# KiCad board EMFbadge smallerforKitsNewLayout.kicad_pcb
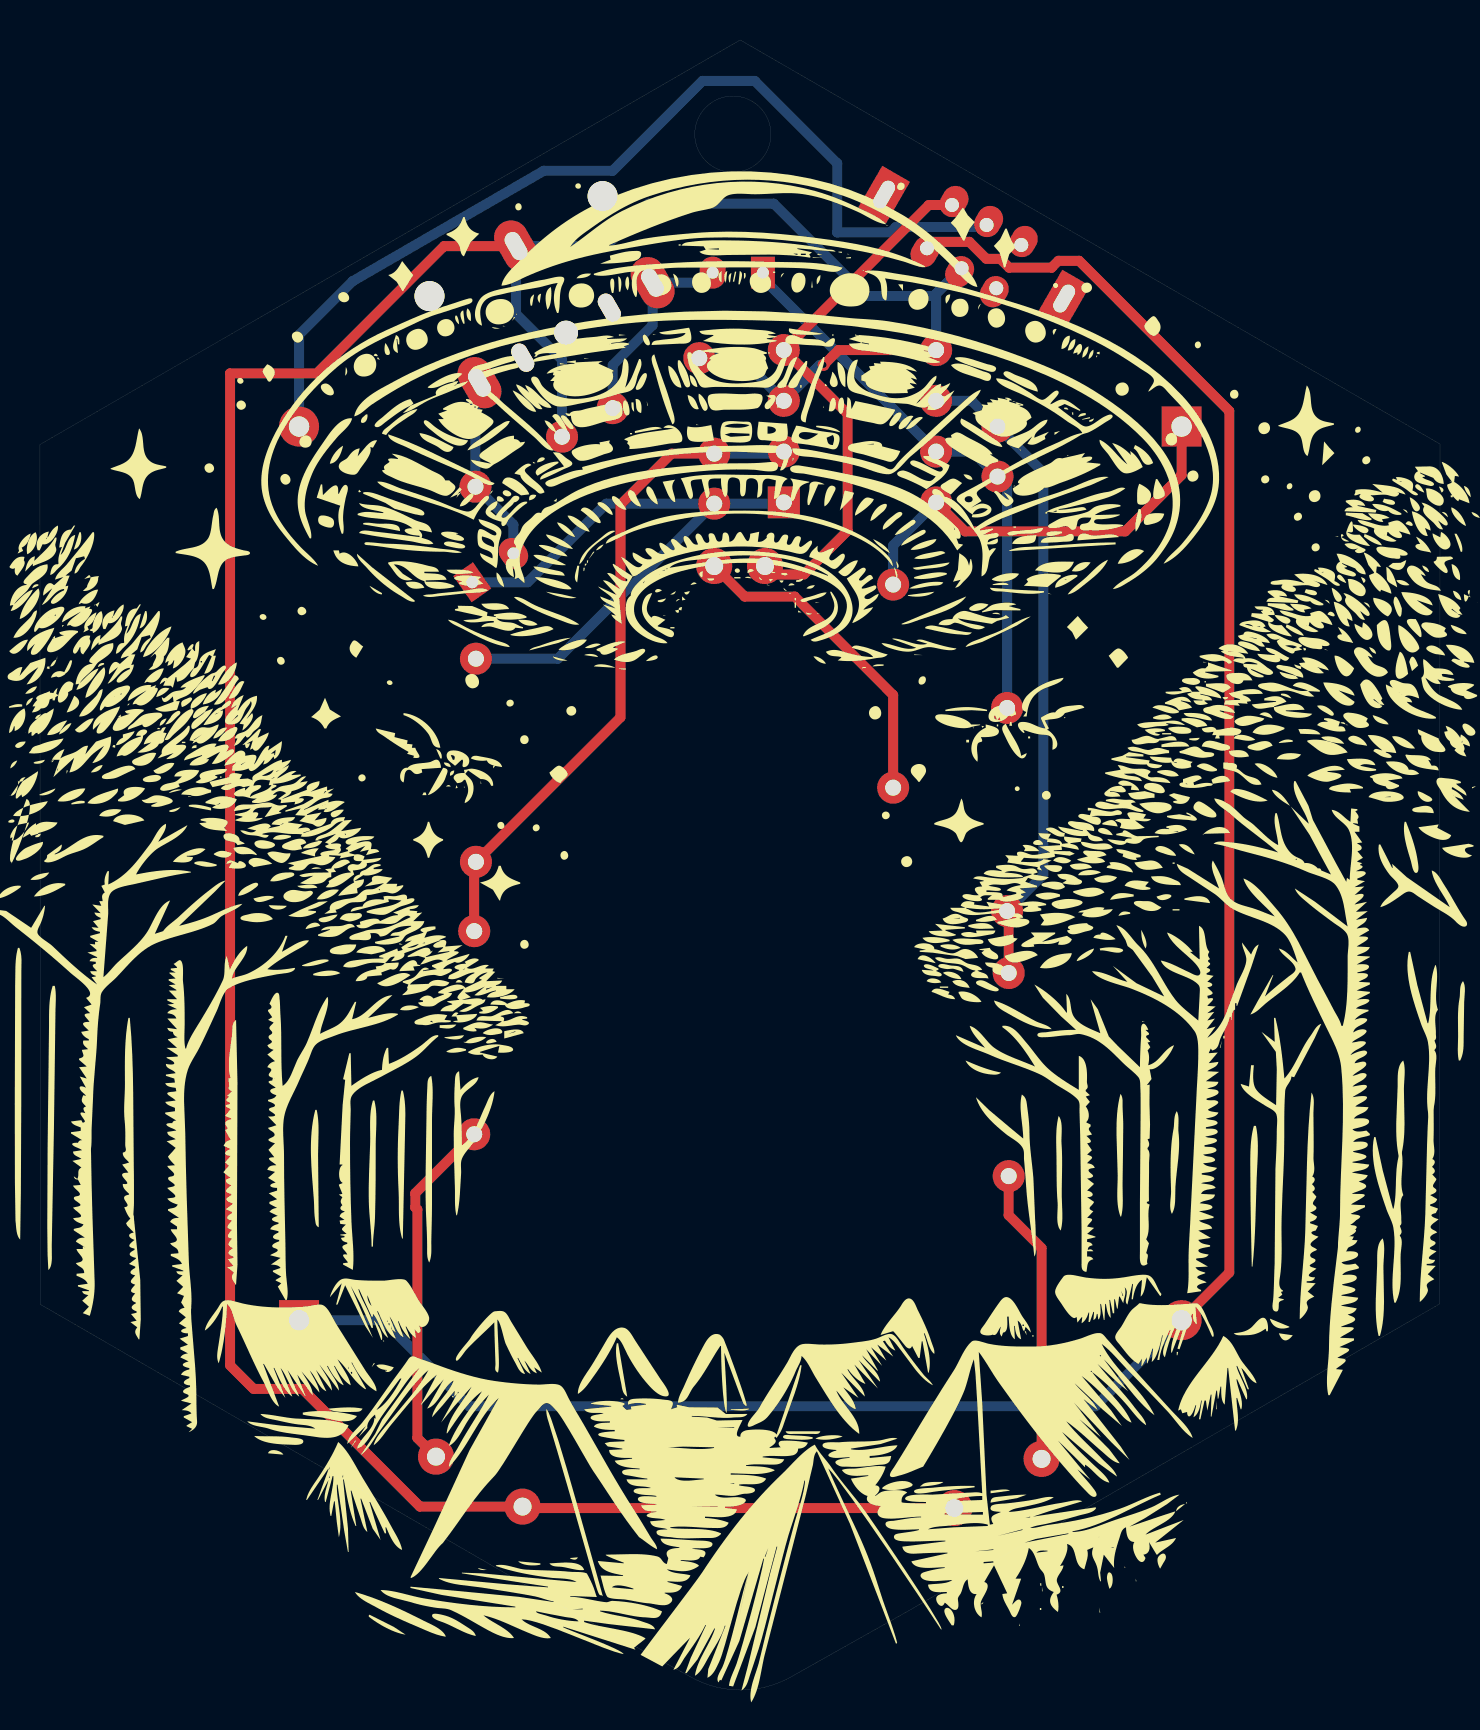
[diagram p0: board, top side]
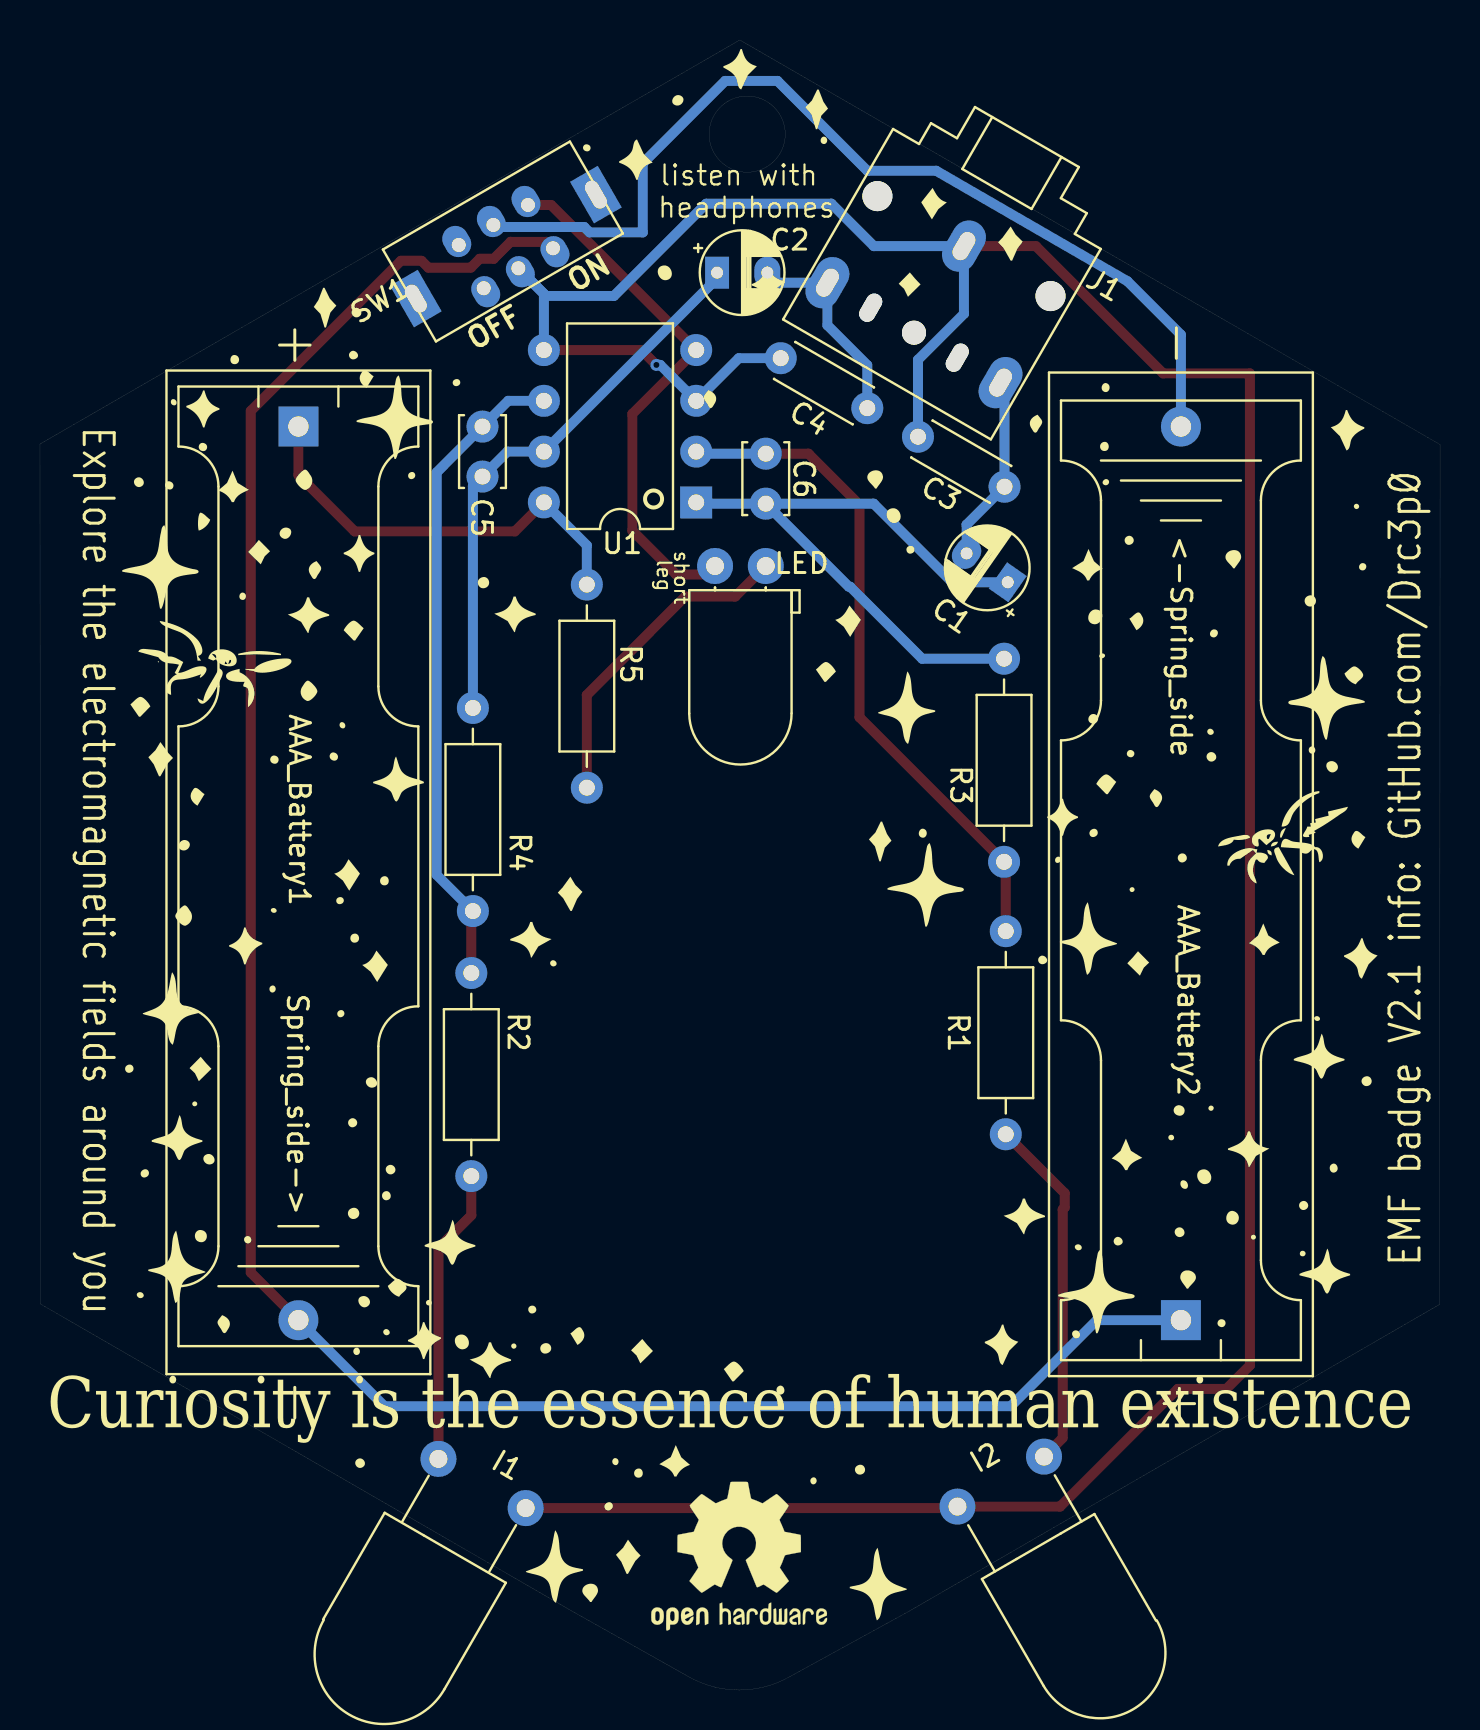
[diagram p1: board, bottom side, seen from below]

Outline 70.04 x 82.54 mm; copper layers: Top, Bottom. Coordinates in mm from the lower left corner of the outline.
Outline path: circle c34.66,77.83 r1.91 ; 35.03,82.54 0,62.3 0.01,19.3 26.58,3.93 32.59,0.63 arc(35.05,0) 37.51,0.62 43.5,3.99 70.03,19.32 70.04,62.32 35.03,82.54
Stack: Top 0.035mm / dielectric 1.51mm FR4 er 4.5 / Bottom 0.035mm

## Placement (name value [footprint] x y rotation side)
AAA_Battery1  Spring_side->  [BatteryHolder_Keystone_2466_1xAAA]  57.11 63.2 270 bottom
AAA_Battery2  <-Spring_side  [BatteryHolder_Keystone_2466_1xAAA]  12.96 18.5 90 bottom
C1  4.7u  [CP_Radial_D4.0mm_P2.54mm]  21.83 55.56 35 bottom
C2  4.7u  [CP_Radial_D4.0mm_P2.54mm]  35.91 70.9 180 bottom
C3  10uF  [C_Disc_D4.3mm_W1.9mm_P5.00mm]  26.12 62.69 210 bottom
C4  10uF  [C_Disc_D4.3mm_W1.9mm_P5.00mm]  32.98 66.62 210 bottom
C5  10pF  [C_Disc_D3.4mm_W2.1mm_P2.50mm]  47.9 63.2 270 bottom
C6  10pF  [C_Disc_D3.4mm_W2.1mm_P2.50mm]  33.73 61.84 270 bottom
D1  LED  [LED_D5.0mm_Horizontal_O1.27mm_Z9.0mm]  36.27 56.22 180 bottom
I1  100mH  [Inductor_D5.0mm_Horizontal_O3.81mm_Z9.0mm#2]  48.97 10.99 210 bottom
I2  100mH  [Inductor_D5.0mm_Horizontal_O3.81mm_Z9.0mm]  23.06 9.8 150 bottom
J1  AudioJack2_Ground_Switch  [Jack_3.5mm_CUI_SJ1-3525N_Horizontal]  23.82 72.23 30 bottom
R1  100  [R_Axial_DIN0207_L6.3mm_D2.5mm_P10.16mm_Horizontal]  21.72 27.8 90 bottom
R2  100  [R_Axial_DIN0207_L6.3mm_D2.5mm_P10.16mm_Horizontal]  48.46 25.71 90 bottom
R3  100K  [R_Axial_DIN0207_L6.3mm_D2.5mm_P10.16mm_Horizontal]  21.81 41.43 90 bottom
R4  100K  [R_Axial_DIN0207_L6.3mm_D2.5mm_P10.16mm_Horizontal]  48.38 38.96 90 bottom
R5  100  [R_Axial_DIN0207_L6.3mm_D2.5mm_P10.16mm_Horizontal]  42.68 45.14 90 bottom
REF**  -  [OSHW-Logo2_9.8x8mm_SilkScreen]  35.06 6.7 180 bottom
SW1  SW_DPDT_x2  [DPDT slide switch]  43.69 71.93 330 bottom
U1  NJM2115D  [DIP-8_W7.62mm]  37.21 59.41 0 bottom

## Library data of the parts
AAA_Battery1 AAA_Battery2 = -: Description: Single-cell battery
C1 C2 = -: Description: Polarized capacitor; Sim.Device: C; Sim.Pins: 1=+ 2=-
C3 C4 = -: Description: Unpolarized capacitor, small symbol; Sim.Device: C; Sim.Pins: 1=+ 2=-
C5 C6 = -: Description: Unpolarized capacitor, small symbol
D1 = -: Description: Light emitting diode
I1 I2 = -: Description: Inductor
J1 = -: Description: Audio Jack, 2 Poles (Mono / TS), Grounded Sleeve, Switched Pole (Normalling)
R1 R3 R4 = -: Description: Resistor
R2 R5 = -: Description: Resistor; Sim.Device: R; Sim.Pins: 1=+ 2=-
SW1 = -: Description: Switch, dual pole double throw, separate symbols
U1 = -: Description: Low-Power, Dual Operational Amplifiers, DIP-8/SOIC-8/TO-99-8; Sim.Device: SUBCKT; Sim.Library: /Users/DRC/Downloads/MCP6001 2.lib; Sim.Name: MCP6001; Sim.Pins: 1=1 2=2 3=3 4=4 5=5

## Footprints (pads in the part's own frame, mm; a bottom-side part is the same pattern mirrored in y, then rotated)
BatteryHolder_Keystone_2466_1xAAA
  rect 2x2 hole 1.02: 1(0,0)
  round 2 hole 1.02: 2(44.7,0)
C_Disc_D3.4mm_W2.1mm_P2.50mm
  round 1.6 hole 0.8: 1(0,0) 2(2.5,0)
C_Disc_D4.3mm_W1.9mm_P5.00mm
  round 1.6 hole 0.8: 1(0,0) 2(5,0)
CP_Radial_D4.0mm_P2.54mm
  rect 1.2x1.6 hole 0.6: 1(-0.254,0)
  oval 1.3x1.6 hole 0.6: 2(2.261,0)
DIP-8_W7.62mm
  rect 1.6x1.6 hole 0.8: 1(0,0)
  oval 1.6x1.6 hole 0.8: 2(0,-2.54) 3(0,-5.08) 4(0,-7.62) 5(7.62,-7.62) 6(7.62,-5.08) 7(7.62,-2.54) 8(7.62,0)
DPDT slide switch
  rect 1.6x2.4 hole 0.7x1.5: (-2.7,-1.75) (7.7,-1.75)
  oval 1.3x1.6 hole 0.7: 1(0.5,-0.5) 2(2.5,-0.5) 3(4.5,-0.5) 4(0.5,-3) 5(2.5,-3) 6(4.5,-3)
Inductor_D5.0mm_Horizontal_O3.81mm_Z9.0mm
  round 1.8 hole 0.9: 1(-1.25,0) 2(3.75,0)
Inductor_D5.0mm_Horizontal_O3.81mm_Z9.0mm#2
  round 1.8 hole 0.9: 1(3.74,-0.02) 2(-1.27,-0.07)
Jack_3.5mm_CUI_SJ1-3525N_Horizontal
  round 1.5 hole 1.5 unplated: (-5,0) (5,0)
  round 1.2 hole 1.2 unplated: (0,5)
  oval 1.7x2.7 hole 0.8x1.5: R(-5,5) S(0,0) T(5,5)
  oval 0.8x1.5 hole 0.8x1.5: RN(-2.5,5) TN(2.5,5)
LED_D5.0mm_Horizontal_O1.27mm_Z9.0mm
  round 1.8 hole 0.9: 1(0,0) 2(2.54,0)
R_Axial_DIN0207_L6.3mm_D2.5mm_P10.16mm_Horizontal
  round 1.6 hole 0.8: 1(0,0)
  oval 1.6x1.6 hole 0.8: 2(10.16,0)

## Nets
GND: C3.1 C4.1 I1.1 I2.1 J1.S SW1.2 U1.3 U1.5
+VDC: AAA_Battery1.1 R5.2 U1.8
-VDC: D1.1 SW1.4 U1.4
Net-(AAA_Battery1--): AAA_Battery1.2 AAA_Battery2.1 SW1.1
Net-(AAA_Battery2--): AAA_Battery2.2 SW1.5
Net-(C1-Pad1): C1.1 C6.2 R3.2 U1.1
Net-(C1-Pad2): C1.2 C3.2 J1.R
Net-(C2-Pad1): C2.1 C5.2 R4.2 U1.7
Net-(C2-Pad2): C2.2 C4.2 J1.T
Net-(D1-A): D1.2 R5.1
Net-(I1-Pad2): I1.2 R2.1
Net-(I2-Pad2): I2.2 R1.1
Net-(U1A--): C6.1 R1.2 R3.1 U1.2
Net-(U1B--): C5.1 R2.2 R4.1 U1.6

Pads without a net: J1 RN TN; SW1 3 6

## Via types
v1: diameter 0.6, hole 0.3, Top to Bottom, 1 via

## Routing (per net, layer and track width the routed paths; a pad name or vN(x,y) marks a point on that pad's centre or on a via; arc(x,y) is an arc through that point)
GND: length 160.3
  Top w0.5: v1(39.2,66.28) 39.95,67.03 U1.5 ; I1.1 24.22,9.1 I2.1 19.01,9.17 13.12,15.06 10.69,15.06 9.51,16.24 9.51,65.86 13.85,65.86 20.22,72.23 J1.S
  Bottom w0.5: U1.5 44.83,69.84 SW1.2 44.72,69.73 41.33,69.73 36.71,74.35 30.45,74.35 28.33,72.23 J1.S 23.82,68.84 26.12,66.54 C3.1 ; C4.1 35.08,66.62 U1.3 39.01,66.28 v1(39.2,66.28)
+VDC: length 21.5
  Top w0.5: AAA_Battery1.1 57.11,60.77 54.29,57.95 46.28,57.95 U1.8
  Bottom w0.5: R5.2 42.68,57.26 U1.8
-VDC: length 26.9
  Top w0.5: 36.19,55.8 38.22,55.8 40.41,57.99 40.41,63.83 U1.4 44.47,74.28 SW1.4
Net-(AAA_Battery1--): length 113.2
  Top w0.5: AAA_Battery1.2 59.5,20.88 59.5,63.98 51.98,71.49 50.95,71.49 50.6,71.15 48.49,71.15 48.04,71.59 47.34,71.59 46.49,72.44 44.7,72.44 SW1.1
  Bottom w0.5: AAA_Battery2.1 17.17,18.5 21.47,14.2 52.81,14.2 AAA_Battery1.2
Net-(AAA_Battery2--): length 48.8
  Bottom w0.5: 12.96,63.2 12.96,67.79 15.64,70.47 25.2,75.99 28.65,75.99 33.14,80.49 35.76,80.49 39.88,76.37 39.88,72.91 42.54,72.91 42.81,73.18 47.26,73.18 SW1.5
Net-(C1-Pad1): length 32.6
  Bottom w0.5: C1.1 24.4,55.41 28.33,59.34 C6.2 ; U1.1 37.15,59.34 C6.2 ; 21.63,51.77 R3.2 25.91,51.59 29.51,55.19 29.58,55.19 C6.2
Net-(C1-Pad2): length 9.4
  Bottom w0.5: J1.R 21.79,65.19 C3.2 23.69,58.29 C1.2
Net-(C2-Pad1): length 27.9
  Bottom w0.5: R4.2 48.38,60.22 C5.2 46.65,61.95 U1.7 36.17,70.61 C2.1
Net-(C2-Pad2): length 10.3
  Bottom w0.5: C2.2 33.15,70.4 J1.T 30.65,68.27 28.65,66.27 C4.2
Net-(D1-A): length 16.3
  Top w0.5: R5.1 42.68,49.77 37.76,54.69 35.26,54.69 D1.2
Net-(I1-Pad2): length 14.8
  Top w0.5: I1.2 50.11,22.1 48.46,23.75 R2.1
Net-(I2-Pad2): length 17.8
  Top w0.5: R1.1 18.77,24.85 18.77,24.14 18.88,24.04 18.88,12.61 I2.2
Net-(U1A--): length 33.6
  Top w0.5: R1.2 21.72,41.34 R3.1 29.04,48.66 29.04,59.29 31.59,61.84 C6.1
  Bottom w0.5: U1.2 37.11,61.84 C6.1
Net-(U1B--): length 32.7
  Top w0.5: R4.1 48.46,38.88 R2.2
  Bottom w0.5: R4.1 50.19,40.77 50.19,60.91 C5.1 46.61,64.49 U1.6

## Text on the board
B.Silkscreen: listen with / headphones | OFF    ON | Explore the electromagnetic fields around you | EMF badge V2.1 info: GitHub.com/Drc3p0 | Curiosity is the essence of human existence
